# Altium PCB PCB.pcbdoc (part 4 of 6)
Units mil, origin at the board's own origin, x right, y up, seen from the top; angles counter-clockwise.
Board outline 12030 x 6651.89 mil, 2 copper layers (Top Layer, Bottom Layer); 4 components, 257 nets, 480 pads, 2 vias.
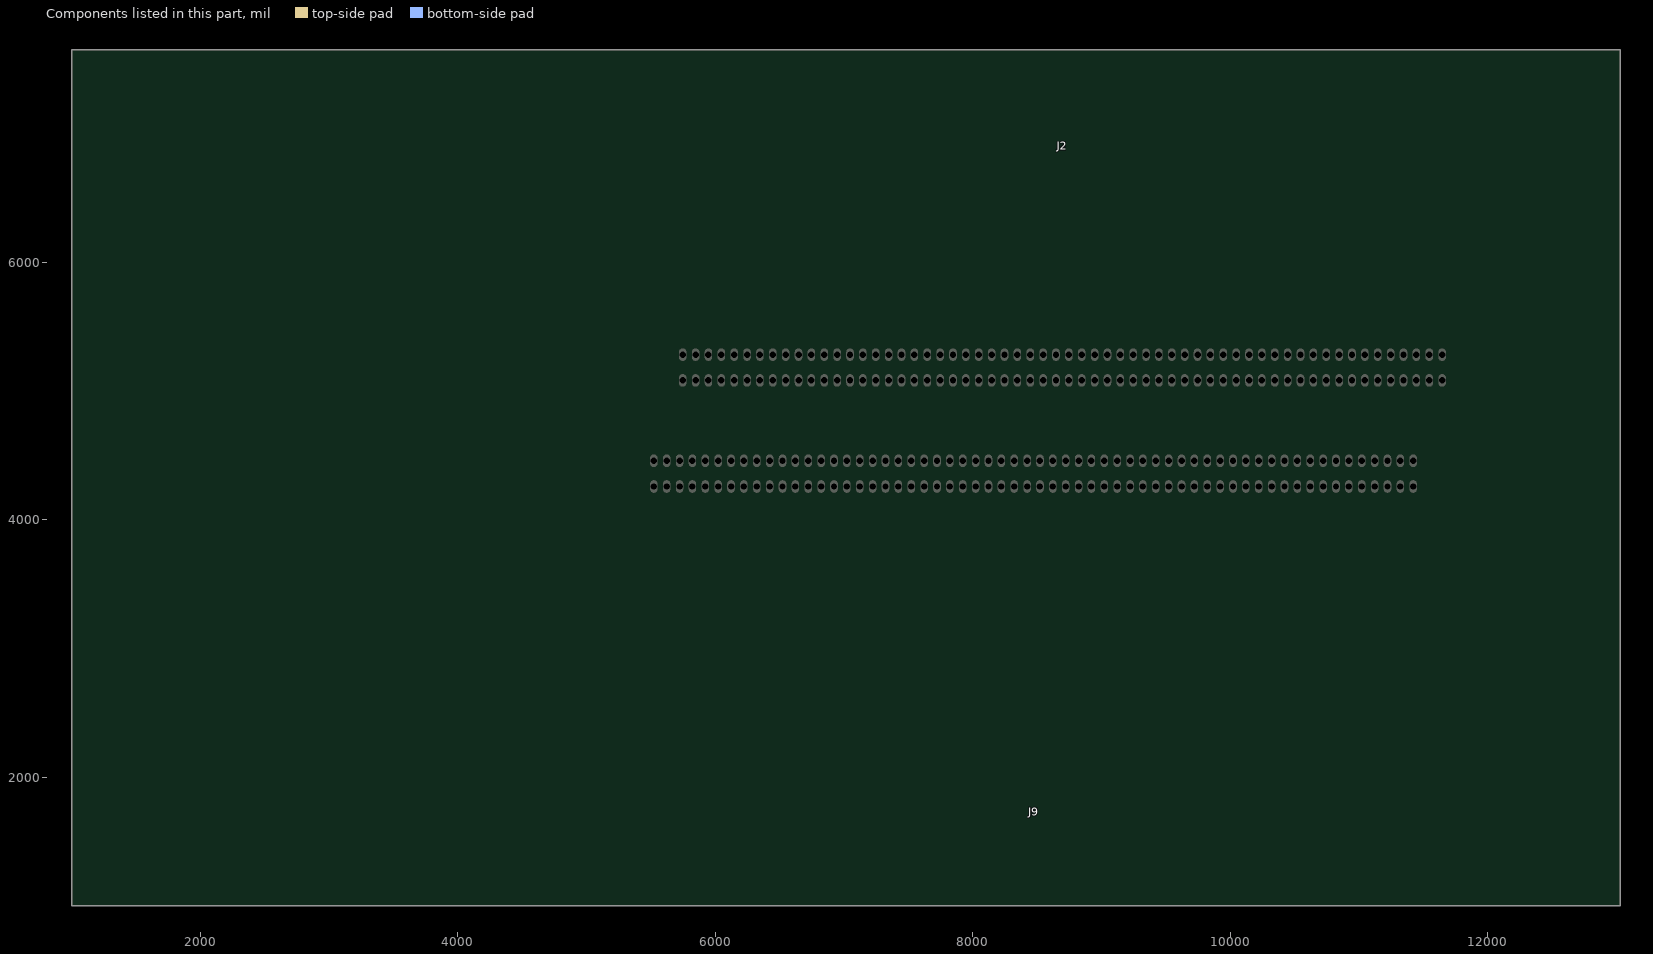
[diagram p4: the components of this part, seen from the top]

## Footprints (in the part's own frame and the unit in brackets; to place one, negate y for a bottom-side part, rotate by r counter-clockwise, add the part's x,y. Pads: shape width x height; smd on the part's side, far side on the other; paste and mask are expansions set on the pad) (continued)
I/O_EDGE_CONNECTOR [mil] (continued)
  Bottom Layer region: 2151.65,213.04 2150.02,213.08 2150.02,213.08 2148.38,213.04 2148.38,213.04 2146.75,212.92 2146.75,212.92 2145.12,212.72 2145.12,212.72 2143.51,212.44 2143.51,212.44 2141.92,212.08 2141.92,212.08 2140.34,211.64 2140.34,211.64 2138.79,211.13 2138.79,211.13 2137.26,210.54 2137.26,210.54 2135.76,209.88 2135.76,209.88 2134.3,209.15 2134.3,209.15 2132.88,208.34 2132.88,208.34 2131.49,207.47 2131.49,207.47 2130.15,206.53 2130.15,206.53 2128.86,205.52 2128.86,205.52 2127.62,204.46 2127.62,204.46 2126.43,203.33 2126.43,203.33 2125.3,202.15 2125.3,202.15 2124.23,200.91 2124.23,200.91 2123.22,199.63 2123.22,199.63 2122.27,198.29 2122.27,198.29 2121.39,196.91 2121.39,196.91 2120.58,195.49 2120.58,195.49 2119.84,194.03 2119.84,194.03 2119.17,192.54 2119.17,192.54 2118.58,191.02 2118.58,191.02 2118.06,189.46 2118.06,189.46 2117.62,187.89 2117.62,187.89 2117.25,186.29 2117.25,186.29 2116.97,184.68 2116.97,184.68 2116.76,183.06 2116.76,183.06 2116.63,181.43 2116.63,181.43 2116.58,179.82 2116.58,179.82 2116.55,179.82 2116.55,179.82 2116.55,-213.87 2116.55,-213.87 2183.48,-213.87 2183.48,-213.87 2183.48,179.82 2183.48,179.82 2183.43,181.46 2183.43,181.46 2183.3,183.09 2183.3,183.09 2183.09,184.71 2183.09,184.71 2182.81,186.33 2182.81,186.33 2182.44,187.92 2182.44,187.92 2181.99,189.49 2181.99,189.49 2181.47,191.05 2181.47,191.05 2180.88,192.57 2180.88,192.57 2180.21,194.06 2180.21,194.06 2179.47,195.52 2179.47,195.52 2178.65,196.94 2178.65,196.94 2177.77,198.32 2177.77,198.32 2176.83,199.65 2176.83,199.65 2175.82,200.94 2175.82,200.94 2174.74,202.18 2174.74,202.18 2173.61,203.36 2173.61,203.36 2172.42,204.48 2172.42,204.48 2171.18,205.55 2171.18,205.55 2169.89,206.55 2169.89,206.55 2168.55,207.49 2168.55,207.49 2167.16,208.36 2167.16,208.36 2165.74,209.16 2165.74,209.16 2164.27,209.9 2164.27,209.9 2162.78,210.56 2162.78,210.56 2161.25,211.14 2161.25,211.14 2159.69,211.65 2159.69,211.65 2158.12,212.09 2158.12,212.09 2156.52,212.44 2156.52,212.44 2154.91,212.72 2154.91,212.72 2153.28,212.92 2153.28,212.92
  Bottom Layer region: 2051.65,213.04 2050.02,213.08 2050.02,213.08 2048.38,213.04 2048.38,213.04 2046.75,212.92 2046.75,212.92 2045.13,212.72 2045.13,212.72 2043.51,212.44 2043.51,212.44 2041.92,212.08 2041.92,212.08 2040.34,211.64 2040.34,211.64 2038.79,211.13 2038.79,211.13 2037.26,210.54 2037.26,210.54 2035.76,209.88 2035.76,209.88 2034.3,209.15 2034.3,209.15 2032.88,208.34 2032.88,208.34 2031.49,207.47 2031.49,207.47 2030.15,206.53 2030.15,206.53 2028.86,205.52 2028.86,205.52 2027.62,204.46 2027.62,204.46 2026.43,203.33 2026.43,203.33 2025.3,202.15 2025.3,202.15 2024.23,200.91 2024.23,200.91 2023.22,199.63 2023.22,199.63 2022.28,198.29 2022.28,198.29 2021.4,196.91 2021.4,196.91 2020.58,195.49 2020.58,195.49 2019.84,194.03 2019.84,194.03 2019.17,192.54 2019.17,192.54 2018.58,191.02 2018.58,191.02 2018.06,189.46 2018.06,189.46 2017.62,187.89 2017.62,187.89 2017.25,186.29 2017.25,186.29 2016.97,184.68 2016.97,184.68 2016.76,183.06 2016.76,183.06 2016.63,181.43 2016.63,181.43 2016.58,179.82 2016.58,179.82 2016.56,179.82 2016.56,179.82 2016.56,-213.87 2016.56,-213.87 2083.48,-213.87 2083.48,-213.87 2083.48,179.82 2083.48,179.82 2083.44,181.46 2083.44,181.46 2083.31,183.09 2083.31,183.09 2083.1,184.71 2083.1,184.71 2082.81,186.33 2082.81,186.33 2082.44,187.92 2082.44,187.92 2082,189.49 2082,189.49 2081.48,191.05 2081.48,191.05 2080.88,192.57 2080.88,192.57 2080.21,194.06 2080.21,194.06 2079.47,195.52 2079.47,195.52 2078.66,196.94 2078.66,196.94 2077.78,198.32 2077.78,198.32 2076.83,199.65 2076.83,199.65 2075.82,200.94 2075.82,200.94 2074.74,202.18 2074.74,202.18 2073.61,203.36 2073.61,203.36 2072.42,204.48 2072.42,204.48 2071.18,205.55 2071.18,205.55 2069.89,206.55 2069.89,206.55 2068.55,207.49 2068.55,207.49 2067.16,208.36 2067.16,208.36 2065.74,209.16 2065.74,209.16 2064.27,209.9 2064.27,209.9 2062.78,210.56 2062.78,210.56 2061.25,211.14 2061.25,211.14 2059.7,211.65 2059.7,211.65 2058.12,212.09 2058.12,212.09 2056.52,212.44 2056.52,212.44 2054.91,212.72 2054.91,212.72 2053.28,212.92 2053.28,212.92
  Bottom Layer region: 1951.65,213.04 1950.02,213.08 1950.02,213.08 1948.38,213.04 1948.38,213.04 1946.75,212.92 1946.75,212.92 1945.12,212.72 1945.12,212.72 1943.51,212.44 1943.51,212.44 1941.92,212.08 1941.92,212.08 1940.34,211.64 1940.34,211.64 1938.78,211.13 1938.78,211.13 1937.26,210.54 1937.26,210.54 1935.76,209.88 1935.76,209.88 1934.3,209.15 1934.3,209.15 1932.88,208.34 1932.88,208.34 1931.49,207.47 1931.49,207.47 1930.15,206.53 1930.15,206.53 1928.86,205.52 1928.86,205.52 1927.62,204.46 1927.62,204.46 1926.43,203.33 1926.43,203.33 1925.3,202.15 1925.3,202.15 1924.23,200.91 1924.23,200.91 1923.22,199.63 1923.22,199.63 1922.27,198.29 1922.27,198.29 1921.39,196.91 1921.39,196.91 1920.58,195.49 1920.58,195.49 1919.84,194.03 1919.84,194.03 1919.17,192.54 1919.17,192.54 1918.58,191.02 1918.58,191.02 1918.06,189.46 1918.06,189.46 1917.62,187.89 1917.62,187.89 1917.25,186.29 1917.25,186.29 1916.97,184.68 1916.97,184.68 1916.76,183.06 1916.76,183.06 1916.63,181.43 1916.63,181.43 1916.58,179.82 1916.58,179.82 1916.55,179.82 1916.55,179.82 1916.55,-213.87 1916.55,-213.87 1983.48,-213.87 1983.48,-213.87 1983.48,179.82 1983.48,179.82 1983.43,181.46 1983.43,181.46 1983.3,183.09 1983.3,183.09 1983.09,184.71 1983.09,184.71 1982.81,186.33 1982.81,186.33 1982.44,187.92 1982.44,187.92 1981.99,189.49 1981.99,189.49 1981.47,191.05 1981.47,191.05 1980.88,192.57 1980.88,192.57 1980.21,194.06 1980.21,194.06 1979.47,195.52 1979.47,195.52 1978.65,196.94 1978.65,196.94 1977.77,198.32 1977.77,198.32 1976.83,199.65 1976.83,199.65 1975.82,200.94 1975.82,200.94 1974.74,202.18 1974.74,202.18 1973.61,203.36 1973.61,203.36 1972.42,204.48 1972.42,204.48 1971.18,205.55 1971.18,205.55 1969.89,206.55 1969.89,206.55 1968.55,207.49 1968.55,207.49 1967.16,208.36 1967.16,208.36 1965.74,209.16 1965.74,209.16 1964.27,209.9 1964.27,209.9 1962.78,210.56 1962.78,210.56 1961.25,211.14 1961.25,211.14 1959.69,211.65 1959.69,211.65 1958.12,212.09 1958.12,212.09 1956.52,212.44 1956.52,212.44 1954.91,212.72 1954.91,212.72 1953.28,212.92 1953.28,212.92
  Bottom Layer region: 1851.65,213.04 1850.02,213.08 1850.02,213.08 1848.38,213.04 1848.38,213.04 1846.75,212.92 1846.75,212.92 1845.12,212.72 1845.12,212.72 1843.51,212.44 1843.51,212.44 1841.91,212.08 1841.91,212.08 1840.34,211.64 1840.34,211.64 1838.78,211.13 1838.78,211.13 1837.26,210.54 1837.26,210.54 1835.76,209.88 1835.76,209.88 1834.3,209.15 1834.3,209.15 1832.87,208.34 1832.87,208.34 1831.49,207.47 1831.49,207.47 1830.15,206.53 1830.15,206.53 1828.86,205.52 1828.86,205.52 1827.62,204.46 1827.62,204.46 1826.43,203.33 1826.43,203.33 1825.3,202.15 1825.3,202.15 1824.23,200.91 1824.23,200.91 1823.22,199.63 1823.22,199.63 1822.27,198.29 1822.27,198.29 1821.39,196.91 1821.39,196.91 1820.58,195.49 1820.58,195.49 1819.84,194.03 1819.84,194.03 1819.17,192.54 1819.17,192.54 1818.58,191.02 1818.58,191.02 1818.06,189.46 1818.06,189.46 1817.62,187.89 1817.62,187.89 1817.25,186.29 1817.25,186.29 1816.97,184.68 1816.97,184.68 1816.76,183.06 1816.76,183.06 1816.63,181.43 1816.63,181.43 1816.58,179.82 1816.58,179.82 1816.55,179.82 1816.55,179.82 1816.55,-213.87 1816.55,-213.87 1883.48,-213.87 1883.48,-213.87 1883.48,179.82 1883.48,179.82 1883.43,181.46 1883.43,181.46 1883.3,183.09 1883.3,183.09 1883.09,184.71 1883.09,184.71 1882.81,186.33 1882.81,186.33 1882.44,187.92 1882.44,187.92 1881.99,189.49 1881.99,189.49 1881.47,191.05 1881.47,191.05 1880.88,192.57 1880.88,192.57 1880.21,194.06 1880.21,194.06 1879.47,195.52 1879.47,195.52 1878.65,196.94 1878.65,196.94 1877.77,198.32 1877.77,198.32 1876.83,199.65 1876.83,199.65 1875.81,200.94 1875.81,200.94 1874.74,202.18 1874.74,202.18 1873.61,203.36 1873.61,203.36 1872.42,204.48 1872.42,204.48 1871.18,205.55 1871.18,205.55 1869.89,206.55 1869.89,206.55 1868.55,207.49 1868.55,207.49 1867.16,208.36 1867.16,208.36 1865.74,209.16 1865.74,209.16 1864.27,209.9 1864.27,209.9 1862.78,210.56 1862.78,210.56 1861.25,211.14 1861.25,211.14 1859.69,211.65 1859.69,211.65 1858.12,212.09 1858.12,212.09 1856.52,212.44 1856.52,212.44 1854.91,212.72 1854.91,212.72 1853.28,212.92 1853.28,212.92
  Bottom Layer region: 1751.68,213.35 1750.05,213.39 1750.05,213.39 1748.41,213.35 1748.41,213.35 1746.78,213.23 1746.78,213.23 1745.15,213.02 1745.15,213.02 1743.54,212.74 1743.54,212.74 1741.94,212.39 1741.94,212.39 1740.37,211.95 1740.37,211.95 1738.81,211.44 1738.81,211.44 1737.29,210.85 1737.29,210.85 1735.79,210.19 1735.79,210.19 1734.33,209.46 1734.33,209.46 1732.9,208.65 1732.9,208.65 1731.52,207.78 1731.52,207.78 1730.18,206.84 1730.18,206.84 1728.89,205.83 1728.89,205.83 1727.65,204.77 1727.65,204.77 1726.46,203.64 1726.46,203.64 1725.33,202.46 1725.33,202.46 1724.26,201.23 1724.26,201.23 1723.25,199.94 1723.25,199.94 1722.3,198.6 1722.3,198.6 1721.42,197.22 1721.42,197.22 1720.61,195.8 1720.61,195.8 1719.87,194.34 1719.87,194.34 1719.2,192.85 1719.2,192.85 1718.61,191.32 1718.61,191.32 1718.09,189.77 1718.09,189.77 1717.65,188.2 1717.65,188.2 1717.28,186.6 1717.28,186.6 1716.99,184.99 1716.99,184.99 1716.79,183.37 1716.79,183.37 1716.66,181.74 1716.66,181.74 1716.61,180.13 1716.61,180.13 1716.58,180.13 1716.58,180.13 1716.58,-213.57 1716.58,-213.57 1783.51,-213.57 1783.51,-213.57 1783.51,180.13 1783.51,180.13 1783.46,181.77 1783.46,181.77 1783.33,183.4 1783.33,183.4 1783.12,185.02 1783.12,185.02 1782.83,186.63 1782.83,186.63 1782.47,188.23 1782.47,188.23 1782.02,189.8 1782.02,189.8 1781.5,191.36 1781.5,191.36 1780.91,192.88 1780.91,192.88 1780.24,194.37 1780.24,194.37 1779.49,195.83 1779.49,195.83 1778.68,197.25 1778.68,197.25 1777.8,198.63 1777.8,198.63 1776.86,199.96 1776.86,199.96 1775.84,201.25 1775.84,201.25 1774.77,202.48 1774.77,202.48 1773.64,203.67 1773.64,203.67 1772.45,204.79 1772.45,204.79 1771.21,205.85 1771.21,205.85 1769.91,206.86 1769.91,206.86 1768.57,207.8 1768.57,207.8 1767.19,208.67 1767.19,208.67 1765.77,209.47 1765.77,209.47 1764.3,210.2 1764.3,210.2 1762.81,210.87 1762.81,210.87 1761.28,211.45 1761.28,211.45 1759.72,211.96 1759.72,211.96 1758.15,212.4 1758.15,212.4 1756.55,212.75 1756.55,212.75 1754.94,213.03 1754.94,213.03 1753.31,213.23 1753.31,213.23
  Bottom Layer region: 1651.68,213.35 1650.05,213.39 1650.05,213.39 1648.41,213.35 1648.41,213.35 1646.78,213.23 1646.78,213.23 1645.16,213.02 1645.16,213.02 1643.55,212.74 1643.55,212.74 1641.95,212.39 1641.95,212.39 1640.37,211.95 1640.37,211.95 1638.82,211.44 1638.82,211.44 1637.29,210.85 1637.29,210.85 1635.79,210.19 1635.79,210.19 1634.33,209.46 1634.33,209.46 1632.91,208.65 1632.91,208.65 1631.52,207.78 1631.52,207.78 1630.18,206.84 1630.18,206.84 1628.89,205.83 1628.89,205.83 1627.65,204.77 1627.65,204.77 1626.46,203.64 1626.46,203.64 1625.33,202.46 1625.33,202.46 1624.26,201.23 1624.26,201.23 1623.25,199.94 1623.25,199.94 1622.31,198.6 1622.31,198.6 1621.43,197.22 1621.43,197.22 1620.61,195.8 1620.61,195.8 1619.88,194.34 1619.88,194.34 1619.21,192.85 1619.21,192.85 1618.61,191.32 1618.61,191.32 1618.09,189.77 1618.09,189.77 1617.65,188.2 1617.65,188.2 1617.28,186.6 1617.28,186.6 1617,184.99 1617,184.99 1616.79,183.37 1616.79,183.37 1616.66,181.74 1616.66,181.74 1616.61,180.13 1616.61,180.13 1616.59,180.13 1616.59,180.13 1616.59,-213.57 1616.59,-213.57 1683.52,-213.57 1683.52,-213.57 1683.52,180.13 1683.52,180.13 1683.47,181.77 1683.47,181.77 1683.34,183.4 1683.34,183.4 1683.12,185.02 1683.12,185.02 1682.84,186.63 1682.84,186.63 1682.47,188.23 1682.47,188.23 1682.03,189.8 1682.03,189.8 1681.51,191.36 1681.51,191.36 1680.91,192.88 1680.91,192.88 1680.24,194.37 1680.24,194.37 1679.5,195.83 1679.5,195.83 1678.69,197.25 1678.69,197.25 1677.81,198.63 1677.81,198.63 1676.86,199.96 1676.86,199.96 1675.85,201.25 1675.85,201.25 1674.77,202.48 1674.77,202.48 1673.64,203.67 1673.64,203.67 1672.45,204.79 1672.45,204.79 1671.21,205.85 1671.21,205.85 1669.92,206.86 1669.92,206.86 1668.58,207.8 1668.58,207.8 1667.19,208.67 1667.19,208.67 1665.77,209.47 1665.77,209.47 1664.31,210.2 1664.31,210.2 1662.81,210.87 1662.81,210.87 1661.28,211.45 1661.28,211.45 1659.73,211.96 1659.73,211.96 1658.15,212.4 1658.15,212.4 1656.55,212.75 1656.55,212.75 1654.94,213.03 1654.94,213.03 1653.32,213.23 1653.32,213.23
  Bottom Layer region: 1551.69,213.35 1550.05,213.39 1550.05,213.39 1548.41,213.35 1548.41,213.35 1546.78,213.22 1546.78,213.22 1545.16,213.02 1545.16,213.02 1543.55,212.74 1543.55,212.74 1541.95,212.39 1541.95,212.39 1540.37,211.95 1540.37,211.95 1538.82,211.44 1538.82,211.44 1537.29,210.85 1537.29,210.85 1535.8,210.19 1535.8,210.19 1534.33,209.45 1534.33,209.45 1532.91,208.65 1532.91,208.65 1531.53,207.78 1531.53,207.78 1530.19,206.84 1530.19,206.84 1528.89,205.83 1528.89,205.83 1527.65,204.77 1527.65,204.77 1526.47,203.64 1526.47,203.64 1525.33,202.46 1525.33,202.46 1524.26,201.22 1524.26,201.22 1523.25,199.94 1523.25,199.94 1522.31,198.6 1522.31,198.6 1521.43,197.22 1521.43,197.22 1520.62,195.8 1520.62,195.8 1519.88,194.34 1519.88,194.34 1519.21,192.85 1519.21,192.85 1518.61,191.32 1518.61,191.32 1518.1,189.77 1518.1,189.77 1517.65,188.2 1517.65,188.2 1517.29,186.6 1517.29,186.6 1517,184.99 1517,184.99 1516.79,183.37 1516.79,183.37 1516.66,181.74 1516.66,181.74 1516.62,180.13 1516.62,180.13 1516.59,180.13 1516.59,180.13 1516.59,-213.57 1516.59,-213.57 1583.52,-213.57 1583.52,-213.57 1583.52,180.13 1583.52,180.13 1583.47,181.77 1583.47,181.77 1583.34,183.4 1583.34,183.4 1583.13,185.02 1583.13,185.02 1582.84,186.63 1582.84,186.63 1582.47,188.23 1582.47,188.23 1582.03,189.8 1582.03,189.8 1581.51,191.35 1581.51,191.35 1580.91,192.88 1580.91,192.88 1580.24,194.37 1580.24,194.37 1579.5,195.83 1579.5,195.83 1578.69,197.25 1578.69,197.25 1577.81,198.63 1577.81,198.63 1576.86,199.96 1576.86,199.96 1575.85,201.25 1575.85,201.25 1574.78,202.48 1574.78,202.48 1573.64,203.66 1573.64,203.66 1572.45,204.79 1572.45,204.79 1571.21,205.85 1571.21,205.85 1569.92,206.86 1569.92,206.86 1568.58,207.8 1568.58,207.8 1567.2,208.67 1567.2,208.67 1565.77,209.47 1565.77,209.47 1564.31,210.2 1564.31,210.2 1562.81,210.86 1562.81,210.86 1561.28,211.45 1561.28,211.45 1559.73,211.96 1559.73,211.96 1558.15,212.39 1558.15,212.39 1556.56,212.75 1556.56,212.75 1554.94,213.03 1554.94,213.03 1553.32,213.23 1553.32,213.23
  Bottom Layer region: 1451.68,213.35 1450.05,213.39 1450.05,213.39 1448.41,213.35 1448.41,213.35 1446.78,213.23 1446.78,213.23 1445.16,213.02 1445.16,213.02 1443.55,212.74 1443.55,212.74 1441.95,212.39 1441.95,212.39 1440.37,211.95 1440.37,211.95 1438.82,211.44 1438.82,211.44 1437.29,210.85 1437.29,210.85 1435.79,210.19 1435.79,210.19 1434.33,209.46 1434.33,209.46 1432.91,208.65 1432.91,208.65 1431.52,207.78 1431.52,207.78 1430.18,206.84 1430.18,206.84 1428.89,205.83 1428.89,205.83 1427.65,204.77 1427.65,204.77 1426.46,203.64 1426.46,203.64 1425.33,202.46 1425.33,202.46 1424.26,201.23 1424.26,201.23 1423.25,199.94 1423.25,199.94 1422.31,198.6 1422.31,198.6 1421.43,197.22 1421.43,197.22 1420.61,195.8 1420.61,195.8 1419.88,194.34 1419.88,194.34 1419.21,192.85 1419.21,192.85 1418.61,191.32 1418.61,191.32 1418.09,189.77 1418.09,189.77 1417.65,188.2 1417.65,188.2 1417.28,186.6 1417.28,186.6 1417,184.99 1417,184.99 1416.79,183.37 1416.79,183.37 1416.66,181.74 1416.66,181.74 1416.61,180.13 1416.61,180.13 1416.59,180.13 1416.59,180.13 1416.59,-213.57 1416.59,-213.57 1483.52,-213.57 1483.52,-213.57 1483.52,180.13 1483.52,180.13 1483.47,181.77 1483.47,181.77 1483.34,183.4 1483.34,183.4 1483.12,185.02 1483.12,185.02 1482.84,186.63 1482.84,186.63 1482.47,188.23 1482.47,188.23 1482.03,189.8 1482.03,189.8 1481.51,191.36 1481.51,191.36 1480.91,192.88 1480.91,192.88 1480.24,194.37 1480.24,194.37 1479.5,195.83 1479.5,195.83 1478.69,197.25 1478.69,197.25 1477.81,198.63 1477.81,198.63 1476.86,199.96 1476.86,199.96 1475.85,201.25 1475.85,201.25 1474.77,202.48 1474.77,202.48 1473.64,203.67 1473.64,203.67 1472.45,204.79 1472.45,204.79 1471.21,205.85 1471.21,205.85 1469.92,206.86 1469.92,206.86 1468.58,207.8 1468.58,207.8 1467.19,208.67 1467.19,208.67 1465.77,209.47 1465.77,209.47 1464.31,210.2 1464.31,210.2 1462.81,210.87 1462.81,210.87 1461.28,211.45 1461.28,211.45 1459.73,211.96 1459.73,211.96 1458.15,212.4 1458.15,212.4 1456.55,212.75 1456.55,212.75 1454.94,213.03 1454.94,213.03 1453.32,213.23 1453.32,213.23
  Bottom Layer region: 1351.66,213.04 1350.03,213.08 1350.03,213.08 1348.39,213.04 1348.39,213.04 1346.76,212.92 1346.76,212.92 1345.14,212.72 1345.14,212.72 1343.52,212.44 1343.52,212.44 1341.93,212.08 1341.93,212.08 1340.35,211.65 1340.35,211.65 1338.8,211.13 1338.8,211.13 1337.27,210.55 1337.27,210.55 1335.77,209.88 1335.77,209.88 1334.31,209.15 1334.31,209.15 1332.89,208.35 1332.89,208.35 1331.5,207.47 1331.5,207.47 1330.16,206.53 1330.16,206.53 1328.87,205.53 1328.87,205.53 1327.63,204.46 1327.63,204.46 1326.44,203.34 1326.44,203.34 1325.31,202.15 1325.31,202.15 1324.24,200.92 1324.24,200.92 1323.23,199.63 1323.23,199.63 1322.28,198.29 1322.28,198.29 1321.4,196.92 1321.4,196.92 1320.59,195.49 1320.59,195.49 1319.85,194.04 1319.85,194.04 1319.19,192.54 1319.19,192.54 1318.59,191.02 1318.59,191.02 1318.07,189.46 1318.07,189.46 1317.63,187.89 1317.63,187.89 1317.26,186.29 1317.26,186.29 1316.98,184.69 1316.98,184.69 1316.77,183.06 1316.77,183.06 1316.64,181.43 1316.64,181.43 1316.59,179.83 1316.59,179.83 1316.57,179.83 1316.57,179.83 1316.57,-213.87 1316.57,-213.87 1383.49,-213.87 1383.49,-213.87 1383.49,179.83 1383.49,179.83 1383.44,181.46 1383.44,181.46 1383.32,183.09 1383.32,183.09 1383.11,184.72 1383.11,184.72 1382.82,186.33 1382.82,186.33 1382.45,187.92 1382.45,187.92 1382.01,189.5 1382.01,189.5 1381.49,191.05 1381.49,191.05 1380.89,192.57 1380.89,192.57 1380.22,194.06 1380.22,194.06 1379.48,195.52 1379.48,195.52 1378.67,196.94 1378.67,196.94 1377.78,198.32 1377.78,198.32 1376.84,199.65 1376.84,199.65 1375.83,200.94 1375.83,200.94 1374.75,202.18 1374.75,202.18 1373.62,203.36 1373.62,203.36 1372.43,204.48 1372.43,204.48 1371.19,205.55 1371.19,205.55 1369.9,206.55 1369.9,206.55 1368.56,207.49 1368.56,207.49 1367.17,208.36 1367.17,208.36 1365.75,209.16 1365.75,209.16 1364.28,209.9 1364.28,209.9 1362.79,210.56 1362.79,210.56 1361.26,211.14 1361.26,211.14 1359.71,211.65 1359.71,211.65 1358.13,212.09 1358.13,212.09 1356.53,212.44 1356.53,212.44 1354.92,212.72 1354.92,212.72 1353.3,212.92 1353.3,212.92
  Bottom Layer region: 1251.66,213.04 1250.03,213.08 1250.03,213.08 1248.39,213.04 1248.39,213.04 1246.76,212.92 1246.76,212.92 1245.14,212.72 1245.14,212.72 1243.53,212.44 1243.53,212.44 1241.93,212.08 1241.93,212.08 1240.35,211.65 1240.35,211.65 1238.8,211.13 1238.8,211.13 1237.27,210.55 1237.27,210.55 1235.78,209.88 1235.78,209.88 1234.31,209.15 1234.31,209.15 1232.89,208.35 1232.89,208.35 1231.5,207.47 1231.5,207.47 1230.16,206.53 1230.16,206.53 1228.87,205.53 1228.87,205.53 1227.63,204.46 1227.63,204.46 1226.44,203.34 1226.44,203.34 1225.31,202.15 1225.31,202.15 1224.24,200.92 1224.24,200.92 1223.23,199.63 1223.23,199.63 1222.29,198.29 1222.29,198.29 1221.41,196.92 1221.41,196.92 1220.6,195.49 1220.6,195.49 1219.86,194.03 1219.86,194.03 1219.19,192.54 1219.19,192.54 1218.59,191.02 1218.59,191.02 1218.07,189.46 1218.07,189.46 1217.63,187.89 1217.63,187.89 1217.27,186.29 1217.27,186.29 1216.98,184.69 1216.98,184.69 1216.77,183.06 1216.77,183.06 1216.64,181.43 1216.64,181.43 1216.59,179.83 1216.59,179.83 1216.57,179.83 1216.57,179.83 1216.57,-213.87 1216.57,-213.87 1283.49,-213.87 1283.49,-213.87 1283.49,179.83 1283.49,179.83 1283.45,181.46 1283.45,181.46 1283.32,183.09 1283.32,183.09 1283.11,184.72 1283.11,184.72 1282.82,186.33 1282.82,186.33 1282.45,187.92 1282.45,187.92 1282.01,189.5 1282.01,189.5 1281.49,191.05 1281.49,191.05 1280.89,192.57 1280.89,192.57 1280.22,194.06 1280.22,194.06 1279.48,195.52 1279.48,195.52 1278.67,196.94 1278.67,196.94 1277.79,198.32 1277.79,198.32 1276.84,199.65 1276.84,199.65 1275.83,200.94 1275.83,200.94 1274.75,202.18 1274.75,202.18 1273.62,203.36 1273.62,203.36 1272.43,204.48 1272.43,204.48 1271.19,205.55 1271.19,205.55 1269.9,206.55 1269.9,206.55 1268.56,207.49 1268.56,207.49 1267.17,208.36 1267.17,208.36 1265.75,209.16 1265.75,209.16 1264.29,209.9 1264.29,209.9 1262.79,210.56 1262.79,210.56 1261.26,211.14 1261.26,211.14 1259.71,211.65 1259.71,211.65 1258.13,212.09 1258.13,212.09 1256.53,212.44 1256.53,212.44 1254.92,212.72 1254.92,212.72 1253.3,212.92 1253.3,212.92
  Bottom Layer region: 1151.67,213.04 1150.03,213.08 1150.03,213.08 1148.4,213.04 1148.4,213.04 1146.76,212.92 1146.76,212.92 1145.14,212.72 1145.14,212.72 1143.53,212.44 1143.53,212.44 1141.93,212.08 1141.93,212.08 1140.36,211.65 1140.36,211.65 1138.8,211.13 1138.8,211.13 1137.27,210.55 1137.27,210.55 1135.78,209.88 1135.78,209.88 1134.32,209.15 1134.32,209.15 1132.89,208.35 1132.89,208.35 1131.51,207.47 1131.51,207.47 1130.17,206.53 1130.17,206.53 1128.88,205.53 1128.88,205.53 1127.64,204.46 1127.64,204.46 1126.45,203.34 1126.45,203.34 1125.32,202.15 1125.32,202.15 1124.24,200.92 1124.24,200.92 1123.24,199.63 1123.24,199.63 1122.29,198.29 1122.29,198.29 1121.41,196.92 1121.41,196.92 1120.6,195.49 1120.6,195.49 1119.86,194.03 1119.86,194.03 1119.19,192.54 1119.19,192.54 1118.6,191.02 1118.6,191.02 1118.08,189.46 1118.08,189.46 1117.63,187.89 1117.63,187.89 1117.27,186.29 1117.27,186.29 1116.98,184.69 1116.98,184.69 1116.77,183.06 1116.77,183.06 1116.65,181.43 1116.65,181.43 1116.6,179.83 1116.6,179.83 1116.57,179.83 1116.57,179.83 1116.57,-213.87 1116.57,-213.87 1183.5,-213.87 1183.5,-213.87 1183.5,179.83 1183.5,179.83 1183.45,181.46 1183.45,181.46 1183.32,183.09 1183.32,183.09 1183.11,184.72 1183.11,184.72 1182.82,186.33 1182.82,186.33 1182.45,187.92 1182.45,187.92 1182.01,189.5 1182.01,189.5 1181.49,191.05 1181.49,191.05 1180.89,192.57 1180.89,192.57 1180.22,194.06 1180.22,194.06 1179.48,195.52 1179.48,195.52 1178.67,196.94 1178.67,196.94 1177.79,198.32 1177.79,198.32 1176.84,199.65 1176.84,199.65 1175.83,200.94 1175.83,200.94 1174.76,202.18 1174.76,202.18 1173.62,203.36 1173.62,203.36 1172.44,204.48 1172.44,204.48 1171.19,205.55 1171.19,205.55 1169.9,206.55 1169.9,206.55 1168.56,207.49 1168.56,207.49 1167.18,208.36 1167.18,208.36 1165.75,209.16 1165.75,209.16 1164.29,209.9 1164.29,209.9 1162.79,210.56 1162.79,210.56 1161.26,211.14 1161.26,211.14 1159.71,211.65 1159.71,211.65 1158.13,212.09 1158.13,212.09 1156.54,212.44 1156.54,212.44 1154.92,212.72 1154.92,212.72 1153.3,212.92 1153.3,212.92
  Bottom Layer region: 1051.67,213.04 1050.03,213.08 1050.03,213.08 1048.4,213.04 1048.4,213.04 1046.76,212.92 1046.76,212.92 1045.14,212.72 1045.14,212.72 1043.53,212.44 1043.53,212.44 1041.93,212.08 1041.93,212.08 1040.35,211.65 1040.35,211.65 1038.8,211.13 1038.8,211.13 1037.27,210.55 1037.27,210.55 1035.78,209.88 1035.78,209.88 1034.31,209.15 1034.31,209.15 1032.89,208.35 1032.89,208.35 1031.5,207.47 1031.5,207.47 1030.16,206.53 1030.16,206.53 1028.88,205.53 1028.88,205.53 1027.64,204.46 1027.64,204.46 1026.45,203.34 1026.45,203.34 1025.32,202.15 1025.32,202.15 1024.24,200.92 1024.24,200.92 1023.23,199.63 1023.23,199.63 1022.29,198.29 1022.29,198.29 1021.4,196.92 1021.4,196.92 1020.6,195.49 1020.6,195.49 1019.85,194.03 1019.85,194.03 1019.19,192.54 1019.19,192.54 1018.6,191.02 1018.6,191.02 1018.07,189.46 1018.07,189.46 1017.63,187.89 1017.63,187.89 1017.26,186.29 1017.26,186.29 1016.98,184.69 1016.98,184.69 1016.77,183.06 1016.77,183.06 1016.64,181.43 1016.64,181.43 1016.59,179.83 1016.59,179.83 1016.57,179.83 1016.57,179.83 1016.57,-213.87 1016.57,-213.87 1083.5,-213.87 1083.5,-213.87 1083.5,179.83 1083.5,179.83 1083.44,181.46 1083.44,181.46 1083.32,183.09 1083.32,183.09 1083.11,184.72 1083.11,184.72 1082.82,186.33 1082.82,186.33 1082.45,187.92 1082.45,187.92 1082.01,189.5 1082.01,189.5 1081.49,191.05 1081.49,191.05 1080.89,192.57 1080.89,192.57 1080.22,194.06 1080.22,194.06 1079.48,195.52 1079.48,195.52 1078.67,196.94 1078.67,196.94 1077.79,198.32 1077.79,198.32 1076.84,199.65 1076.84,199.65 1075.83,200.94 1075.83,200.94 1074.76,202.18 1074.76,202.18 1073.62,203.36 1073.62,203.36 1072.44,204.48 1072.44,204.48 1071.19,205.55 1071.19,205.55 1069.9,206.55 1069.9,206.55 1068.56,207.49 1068.56,207.49 1067.17,208.36 1067.17,208.36 1065.75,209.16 1065.75,209.16 1064.28,209.9 1064.28,209.9 1062.79,210.56 1062.79,210.56 1061.26,211.14 1061.26,211.14 1059.71,211.65 1059.71,211.65 1058.13,212.09 1058.13,212.09 1056.53,212.44 1056.53,212.44 1054.92,212.72 1054.92,212.72 1053.3,212.92 1053.3,212.92
  Bottom Layer region: 951.69,213.36 950.06,213.39 950.06,213.39 948.42,213.35 948.42,213.35 946.79,213.23 946.79,213.23 945.17,213.03 945.17,213.03 943.56,212.75 943.56,212.75 941.96,212.4 941.96,212.4 940.38,211.96 940.38,211.96 938.83,211.45 938.83,211.45 937.3,210.86 937.3,210.86 935.8,210.2 935.8,210.2 934.34,209.46 934.34,209.46 932.92,208.66 932.92,208.66 931.53,207.79 931.53,207.79 930.19,206.85 930.19,206.85 928.9,205.84 928.9,205.84 927.66,204.78 927.66,204.78 926.47,203.65 926.47,203.65 925.34,202.47 925.34,202.47 924.27,201.23 924.27,201.23 923.26,199.94 923.26,199.94 922.32,198.61 922.32,198.61 921.44,197.23 921.44,197.23 920.62,195.81 920.62,195.81 919.89,194.35 919.89,194.35 919.22,192.86 919.22,192.86 918.62,191.33 918.62,191.33 918.1,189.78 918.1,189.78 917.66,188.2 917.66,188.2 917.3,186.61 917.3,186.61 917.01,185 917.01,185 916.8,183.38 916.8,183.38 916.67,181.74 916.67,181.74 916.62,180.14 916.62,180.14 916.6,180.14 916.6,180.14 916.6,-213.56 916.6,-213.56 983.53,-213.56 983.53,-213.56 983.53,180.14 983.53,180.14 983.48,181.78 983.48,181.78 983.35,183.41 983.35,183.41 983.14,185.03 983.14,185.03 982.85,186.64 982.85,186.64 982.48,188.24 982.48,188.24 982.04,189.81 982.04,189.81 981.52,191.36 981.52,191.36 980.92,192.89 980.92,192.89 980.25,194.38 980.25,194.38 979.51,195.84 979.51,195.84 978.7,197.26 978.7,197.26 977.82,198.64 977.82,198.64 976.87,199.97 976.87,199.97 975.86,201.26 975.86,201.26 974.78,202.49 974.78,202.49 973.65,203.67 973.65,203.67 972.46,204.8 972.46,204.8 971.22,205.86 971.22,205.86 969.93,206.86 969.93,206.86 968.59,207.81 968.59,207.81 967.2,208.68 967.2,208.68 965.78,209.48 965.78,209.48 964.32,210.21 964.32,210.21 962.82,210.87 962.82,210.87 961.29,211.46 961.29,211.46 959.74,211.97 959.74,211.97 958.16,212.4 958.16,212.4 956.56,212.76 956.56,212.76 954.95,213.04 954.95,213.04 953.33,213.24 953.33,213.24
  Bottom Layer region: 851.7,213.36 850.06,213.39 850.06,213.39 848.43,213.35 848.43,213.35 846.79,213.23 846.79,213.23 845.17,213.03 845.17,213.03 843.56,212.75 843.56,212.75 841.96,212.4 841.96,212.4 840.39,211.96 840.39,211.96 838.83,211.45 838.83,211.45 837.3,210.86 837.3,210.86 835.81,210.2 835.81,210.2 834.35,209.46 834.35,209.46 832.92,208.66 832.92,208.66 831.54,207.79 831.54,207.79 830.2,206.85 830.2,206.85 828.91,205.84 828.91,205.84 827.67,204.78 827.67,204.78 826.48,203.65 826.48,203.65 825.35,202.47 825.35,202.47 824.28,201.23 824.28,201.23 823.27,199.94 823.27,199.94 822.32,198.61 822.32,198.61 821.44,197.23 821.44,197.23 820.63,195.81 820.63,195.81 819.89,194.35 819.89,194.35 819.22,192.86 819.22,192.86 818.63,191.33 818.63,191.33 818.11,189.78 818.11,189.78 817.66,188.2 817.66,188.2 817.3,186.61 817.3,186.61 817.01,185 817.01,185 816.8,183.38 816.8,183.38 816.68,181.74 816.68,181.74 816.63,180.14 816.63,180.14 816.6,180.14 816.6,180.14 816.6,-213.56 816.6,-213.56 883.53,-213.56 883.53,-213.56 883.53,180.14 883.53,180.14 883.48,181.78 883.48,181.78 883.35,183.41 883.35,183.41 883.14,185.03 883.14,185.03 882.85,186.64 882.85,186.64 882.48,188.24 882.48,188.24 882.04,189.81 882.04,189.81 881.52,191.36 881.52,191.36 880.92,192.89 880.92,192.89 880.25,194.38 880.25,194.38 879.51,195.84 879.51,195.84 878.7,197.26 878.7,197.26 877.82,198.64 877.82,198.64 876.87,199.97 876.87,199.97 875.86,201.26 875.86,201.26 874.79,202.49 874.79,202.49 873.65,203.67 873.65,203.67 872.47,204.8 872.47,204.8 871.23,205.86 871.23,205.86 869.93,206.86 869.93,206.86 868.59,207.81 868.59,207.81 867.21,208.68 867.21,208.68 865.78,209.48 865.78,209.48 864.32,210.21 864.32,210.21 862.82,210.87 862.82,210.87 861.3,211.46 861.3,211.46 859.74,211.97 859.74,211.97 858.16,212.4 858.16,212.4 856.57,212.76 856.57,212.76 854.95,213.04 854.95,213.04 853.33,213.24 853.33,213.24
  Bottom Layer region: 751.7,213.36 750.07,213.39 750.07,213.39 748.43,213.35 748.43,213.35 746.8,213.23 746.8,213.23 745.17,213.03 745.17,213.03 743.56,212.75 743.56,212.75 741.97,212.4 741.97,212.4 740.39,211.96 740.39,211.96 738.84,211.45 738.84,211.45 737.31,210.86 737.31,210.86 735.81,210.2 735.81,210.2 734.35,209.46 734.35,209.46 732.92,208.66 732.92,208.66 731.54,207.79 731.54,207.79 730.2,206.85 730.2,206.85 728.91,205.84 728.91,205.84 727.67,204.78 727.67,204.78 726.48,203.65 726.48,203.65 725.35,202.47 725.35,202.47 724.28,201.23 724.28,201.23 723.27,199.94 723.27,199.94 722.32,198.61 722.32,198.61 721.44,197.23 721.44,197.23 720.63,195.81 720.63,195.81 719.89,194.35 719.89,194.35 719.22,192.86 719.22,192.86 718.63,191.33 718.63,191.33 718.11,189.78 718.11,189.78 717.67,188.2 717.67,188.2 717.3,186.61 717.3,186.61 717.02,185 717.02,185 716.81,183.38 716.81,183.38 716.68,181.74 716.68,181.74 716.63,180.14 716.63,180.14 716.6,180.14 716.6,180.14 716.6,-213.56 716.6,-213.56 783.53,-213.56 783.53,-213.56 783.53,180.14 783.53,180.14 783.48,181.78 783.48,181.78 783.35,183.41 783.35,183.41 783.14,185.03 783.14,185.03 782.86,186.64 782.86,186.64 782.49,188.24 782.49,188.24 782.04,189.81 782.04,189.81 781.52,191.36 781.52,191.36 780.93,192.89 780.93,192.89 780.26,194.38 780.26,194.38 779.52,195.84 779.52,195.84 778.7,197.26 778.7,197.26 777.82,198.64 777.82,198.64 776.88,199.97 776.88,199.97 775.86,201.26 775.86,201.26 774.79,202.49 774.79,202.49 773.66,203.67 773.66,203.67 772.47,204.8 772.47,204.8 771.23,205.86 771.23,205.86 769.93,206.86 769.93,206.86 768.6,207.81 768.6,207.81 767.21,208.68 767.21,208.68 765.79,209.48 765.79,209.48 764.32,210.21 764.32,210.21 762.82,210.87 762.82,210.87 761.3,211.46 761.3,211.46 759.74,211.97 759.74,211.97 758.17,212.4 758.17,212.4 756.57,212.76 756.57,212.76 754.96,213.04 754.96,213.04 753.33,213.24 753.33,213.24
  Bottom Layer region: 651.7,213.36 650.06,213.39 650.06,213.39 648.43,213.35 648.43,213.35 646.79,213.23 646.79,213.23 645.17,213.03 645.17,213.03 643.56,212.75 643.56,212.75 641.96,212.4 641.96,212.4 640.38,211.96 640.38,211.96 638.83,211.45 638.83,211.45 637.3,210.86 637.3,210.86 635.81,210.2 635.81,210.2 634.35,209.46 634.35,209.46 632.92,208.66 632.92,208.66 631.54,207.79 631.54,207.79 630.2,206.85 630.2,206.85 628.9,205.84 628.9,205.84 627.66,204.78 627.66,204.78 626.48,203.65 626.48,203.65 625.35,202.47 625.35,202.47 624.28,201.23 624.28,201.23 623.26,199.94 623.26,199.94 622.32,198.61 622.32,198.61 621.44,197.23 621.44,197.23 620.63,195.81 620.63,195.81 619.89,194.35 619.89,194.35 619.22,192.86 619.22,192.86 618.62,191.33 618.62,191.33 618.11,189.78 618.11,189.78 617.66,188.2 617.66,188.2 617.3,186.61 617.3,186.61 617.01,185 617.01,185 616.8,183.38 616.8,183.38 616.68,181.74 616.68,181.74 616.63,180.14 616.63,180.14 616.6,180.14 616.6,180.14 616.6,-213.56 616.6,-213.56 683.53,-213.56 683.53,-213.56 683.53,180.14 683.53,180.14 683.48,181.78 683.48,181.78 683.35,183.41 683.35,183.41 683.14,185.03 683.14,185.03 682.85,186.64 682.85,186.64 682.48,188.24 682.48,188.24 682.04,189.81 682.04,189.81 681.52,191.36 681.52,191.36 680.92,192.89 680.92,192.89 680.25,194.38 680.25,194.38 679.51,195.84 679.51,195.84 678.7,197.26 678.7,197.26 677.82,198.64 677.82,198.64 676.87,199.97 676.87,199.97 675.86,201.26 675.86,201.26 674.79,202.49 674.79,202.49 673.65,203.67 673.65,203.67 672.47,204.8 672.47,204.8 671.23,205.86 671.23,205.86 669.93,206.86 669.93,206.86 668.59,207.81 668.59,207.81 667.21,208.68 667.21,208.68 665.78,209.48 665.78,209.48 664.32,210.21 664.32,210.21 662.82,210.87 662.82,210.87 661.3,211.46 661.3,211.46 659.74,211.97 659.74,211.97 658.16,212.4 658.16,212.4 656.57,212.76 656.57,212.76 654.95,213.04 654.95,213.04 653.33,213.24 653.33,213.24
  Bottom Layer region: 551.68,213.35 550.04,213.39 550.04,213.39 548.41,213.35 548.41,213.35 546.77,213.23 546.77,213.23 545.15,213.03 545.15,213.03 543.54,212.75 543.54,212.75 541.94,212.39 541.94,212.39 540.36,211.96 540.36,211.96 538.81,211.45 538.81,211.45 537.28,210.86 537.28,210.86 535.79,210.2 535.79,210.2 534.32,209.46 534.32,209.46 532.9,208.66 532.9,208.66 531.52,207.78 531.52,207.78 530.18,206.85 530.18,206.85 528.89,205.84 528.89,205.84 527.64,204.78 527.64,204.78 526.46,203.65 526.46,203.65 525.33,202.47 525.33,202.47 524.26,201.23 524.26,201.23 523.24,199.94 523.24,199.94 522.3,198.61 522.3,198.61 521.42,197.23 521.42,197.23 520.61,195.81 520.61,195.81 519.86,194.35 519.86,194.35 519.2,192.86 519.2,192.86 518.6,191.33 518.6,191.33 518.08,189.78 518.08,189.78 517.64,188.2 517.64,188.2 517.28,186.61 517.28,186.61 516.99,185 516.99,185 516.78,183.38 516.78,183.38 516.65,181.74 516.65,181.74 516.61,180.14 516.61,180.14 516.58,180.14 516.58,180.14 516.58,-213.56 516.58,-213.56 583.51,-213.56 583.51,-213.56 583.51,180.14 583.51,180.14 583.45,181.78 583.45,181.78 583.33,183.41 583.33,183.41 583.12,185.03 583.12,185.03 582.83,186.64 582.83,186.64 582.46,188.24 582.46,188.24 582.02,189.81 582.02,189.81 581.5,191.36 581.5,191.36 580.9,192.88 580.9,192.88 580.24,194.38 580.24,194.38 579.49,195.84 579.49,195.84 578.68,197.26 578.68,197.26 577.8,198.64 577.8,198.64 576.85,199.97 576.85,199.97 575.84,201.25 575.84,201.25 574.76,202.49 574.76,202.49 573.63,203.67 573.63,203.67 572.45,204.8 572.45,204.8 571.2,205.86 571.2,205.86 569.91,206.86 569.91,206.86 568.57,207.8 568.57,207.8 567.19,208.68 567.19,208.68 565.76,209.48 565.76,209.48 564.3,210.21 564.3,210.21 562.8,210.87 562.8,210.87 561.27,211.46 561.27,211.46 559.72,211.97 559.72,211.97 558.14,212.4 558.14,212.4 556.54,212.76 556.54,212.76 554.93,213.04 554.93,213.04 553.31,213.24 553.31,213.24
  Bottom Layer region: 451.67,213.36 450.04,213.39 450.04,213.39 448.4,213.35 448.4,213.35 446.77,213.23 446.77,213.23 445.15,213.03 445.15,213.03 443.53,212.75 443.53,212.75 441.94,212.4 441.94,212.4 440.36,211.96 440.36,211.96 438.81,211.45 438.81,211.45 437.28,210.86 437.28,210.86 435.78,210.2 435.78,210.2 434.32,209.46 434.32,209.46 432.9,208.66 432.9,208.66 431.51,207.79 431.51,207.79 430.17,206.85 430.17,206.85 428.88,205.84 428.88,205.84 427.64,204.78 427.64,204.78 426.45,203.65 426.45,203.65 425.32,202.47 425.32,202.47 424.25,201.23 424.25,201.23 423.24,199.94 423.24,199.94 422.29,198.61 422.29,198.61 421.41,197.23 421.41,197.23 420.6,195.81 420.6,195.81 419.86,194.35 419.86,194.35 419.19,192.86 419.19,192.86 418.6,191.33 418.6,191.33 418.08,189.78 418.08,189.78 417.64,188.2 417.64,188.2 417.27,186.61 417.27,186.61 416.99,185 416.99,185 416.78,183.38 416.78,183.38 416.65,181.74 416.65,181.74 416.6,180.14 416.6,180.14 416.57,180.14 416.57,180.14 416.57,-213.56 416.57,-213.56 483.5,-213.56 483.5,-213.56 483.5,180.14 483.5,180.14 483.45,181.78 483.45,181.78 483.32,183.41 483.32,183.41 483.11,185.03 483.11,185.03 482.83,186.64 482.83,186.64 482.46,188.24 482.46,188.24 482.01,189.81 482.01,189.81 481.49,191.36 481.49,191.36 480.9,192.89 480.9,192.89 480.23,194.38 480.23,194.38 479.49,195.84 479.49,195.84 478.67,197.26 478.67,197.26 477.79,198.64 477.79,198.64 476.85,199.97 476.85,199.97 475.84,201.26 475.84,201.26 474.76,202.49 474.76,202.49 473.63,203.67 473.63,203.67 472.44,204.8 472.44,204.8 471.2,205.86 471.2,205.86 469.91,206.87 469.91,206.87 468.57,207.81 468.57,207.81 467.18,208.68 467.18,208.68 465.76,209.48 465.76,209.48 464.29,210.21 464.29,210.21 462.8,210.87 462.8,210.87 461.27,211.46 461.27,211.46 459.72,211.97 459.72,211.97 458.14,212.4 458.14,212.4 456.54,212.76 456.54,212.76 454.93,213.04 454.93,213.04 453.3,213.24 453.3,213.24
  Bottom Layer region: 351.67,213.36 350.04,213.4 350.04,213.4 348.4,213.36 348.4,213.36 346.77,213.24 346.77,213.24 345.15,213.03 345.15,213.03 343.53,212.75 343.53,212.75 341.94,212.4 341.94,212.4 340.36,211.96 340.36,211.96 338.81,211.45 338.81,211.45 337.28,210.86 337.28,210.86 335.78,210.2 335.78,210.2 334.32,209.46 334.32,209.46 332.9,208.66 332.9,208.66 331.51,207.79 331.51,207.79 330.17,206.85 330.17,206.85 328.88,205.84 328.88,205.84 327.64,204.78 327.64,204.78 326.45,203.65 326.45,203.65 325.32,202.47 325.32,202.47 324.25,201.23 324.25,201.23 323.24,199.94 323.24,199.94 322.29,198.61 322.29,198.61 321.41,197.23 321.41,197.23 320.6,195.81 320.6,195.81 319.86,194.35 319.86,194.35 319.19,192.86 319.19,192.86 318.6,191.33 318.6,191.33 318.08,189.78 318.08,189.78 317.64,188.2 317.64,188.2 317.27,186.61 317.27,186.61 316.99,185 316.99,185 316.78,183.38 316.78,183.38 316.65,181.74 316.65,181.74 316.6,180.14 316.6,180.14 316.57,180.14 316.57,180.14 316.57,-213.56 316.57,-213.56 383.5,-213.56 383.5,-213.56 383.5,180.14 383.5,180.14 383.45,181.78 383.45,181.78 383.32,183.41 383.32,183.41 383.11,185.03 383.11,185.03 382.83,186.64 382.83,186.64 382.46,188.24 382.46,188.24 382.01,189.81 382.01,189.81 381.49,191.36 381.49,191.36 380.9,192.89 380.9,192.89 380.23,194.38 380.23,194.38 379.49,195.84 379.49,195.84 378.67,197.26 378.67,197.26 377.79,198.64 377.79,198.64 376.85,199.97 376.85,199.97 375.84,201.26 375.84,201.26 374.76,202.49 374.76,202.49 373.63,203.68 373.63,203.68 372.44,204.8 372.44,204.8 371.2,205.86 371.2,205.86 369.91,206.86 369.91,206.86 368.57,207.81 368.57,207.81 367.18,208.68 367.18,208.68 365.76,209.48 365.76,209.48 364.29,210.21 364.29,210.21 362.8,210.87 362.8,210.87 361.27,211.46 361.27,211.46 359.72,211.97 359.72,211.97 358.14,212.41 358.14,212.41 356.54,212.76 356.54,212.76 354.93,213.04 354.93,213.04 353.3,213.24 353.3,213.24
  Bottom Layer region: 251.67,213.36 250.04,213.4 250.04,213.4 248.4,213.36 248.4,213.36 246.77,213.24 246.77,213.24 245.15,213.03 245.15,213.03 243.53,212.75 243.53,212.75 241.94,212.4 241.94,212.4 240.36,211.96 240.36,211.96 238.81,211.45 238.81,211.45 237.28,210.86 237.28,210.86 235.78,210.2 235.78,210.2 234.32,209.46 234.32,209.46 232.9,208.66 232.9,208.66 231.51,207.79 231.51,207.79 230.17,206.85 230.17,206.85 228.88,205.84 228.88,205.84 227.64,204.78 227.64,204.78 226.45,203.65 226.45,203.65 225.32,202.47 225.32,202.47 224.25,201.23 224.25,201.23 223.24,199.95 223.24,199.95 222.3,198.61 222.3,198.61 221.42,197.23 221.42,197.23 220.6,195.81 220.6,195.81 219.86,194.35 219.86,194.35 219.2,192.86 219.2,192.86 218.6,191.33 218.6,191.33 218.08,189.78 218.08,189.78 217.64,188.2 217.64,188.2 217.27,186.61 217.27,186.61 216.99,185 216.99,185 216.78,183.38 216.78,183.38 216.65,181.74 216.65,181.74 216.6,180.14 216.6,180.14 216.58,180.14 216.58,180.14 216.58,-213.56 216.58,-213.56 283.5,-213.56 283.5,-213.56 283.5,180.14 283.5,180.14 283.45,181.78 283.45,181.78 283.33,183.41 283.33,183.41 283.12,185.03 283.12,185.03 282.83,186.64 282.83,186.64 282.46,188.24 282.46,188.24 282.02,189.81 282.02,189.81 281.5,191.36 281.5,191.36 280.9,192.89 280.9,192.89 280.23,194.38 280.23,194.38 279.49,195.84 279.49,195.84 278.68,197.26 278.68,197.26 277.8,198.64 277.8,198.64 276.85,199.97 276.85,199.97 275.84,201.26 275.84,201.26 274.76,202.49 274.76,202.49 273.63,203.68 273.63,203.68 272.44,204.8 272.44,204.8 271.2,205.86 271.2,205.86 269.91,206.87 269.91,206.87 268.57,207.81 268.57,207.81 267.18,208.68 267.18,208.68 265.76,209.48 265.76,209.48 264.3,210.21 264.3,210.21 262.8,210.87 262.8,210.87 261.27,211.46 261.27,211.46 259.72,211.97 259.72,211.97 258.14,212.41 258.14,212.41 256.54,212.76 256.54,212.76 254.93,213.04 254.93,213.04 253.31,213.24 253.31,213.24
  Bottom Layer region: 151.67,213.36 150.04,213.4 150.04,213.4 148.4,213.36 148.4,213.36 146.77,213.24 146.77,213.24 145.15,213.03 145.15,213.03 143.53,212.75 143.53,212.75 141.94,212.4 141.94,212.4 140.36,211.96 140.36,211.96 138.81,211.45 138.81,211.45 137.28,210.86 137.28,210.86 135.78,210.2 135.78,210.2 134.32,209.46 134.32,209.46 132.9,208.66 132.9,208.66 131.51,207.79 131.51,207.79 130.17,206.85 130.17,206.85 128.88,205.84 128.88,205.84 127.64,204.78 127.64,204.78 126.45,203.65 126.45,203.65 125.32,202.47 125.32,202.47 124.25,201.23 124.25,201.23 123.24,199.95 123.24,199.95 122.3,198.61 122.3,198.61 121.42,197.23 121.42,197.23 120.6,195.81 120.6,195.81 119.86,194.35 119.86,194.35 119.19,192.86 119.19,192.86 118.6,191.33 118.6,191.33 118.08,189.78 118.08,189.78 117.64,188.2 117.64,188.2 117.27,186.61 117.27,186.61 116.99,185 116.99,185 116.78,183.38 116.78,183.38 116.65,181.74 116.65,181.74 116.6,180.14 116.6,180.14 116.58,180.14 116.58,180.14 116.58,-213.56 116.58,-213.56 183.5,-213.56 183.5,-213.56 183.5,180.14 183.5,180.14 183.45,181.78 183.45,181.78 183.32,183.41 183.32,183.41 183.11,185.03 183.11,185.03 182.83,186.64 182.83,186.64 182.46,188.24 182.46,188.24 182.02,189.81 182.02,189.81 181.49,191.36 181.49,191.36 180.9,192.89 180.9,192.89 180.23,194.38 180.23,194.38 179.49,195.84 179.49,195.84 178.67,197.26 178.67,197.26 177.8,198.64 177.8,198.64 176.85,199.97 176.85,199.97 175.84,201.26 175.84,201.26 174.76,202.49 174.76,202.49 173.63,203.68 173.63,203.68 172.44,204.8 172.44,204.8 171.2,205.86 171.2,205.86 169.91,206.87 169.91,206.87 168.57,207.81 168.57,207.81 167.18,208.68 167.18,208.68 165.76,209.48 165.76,209.48 164.3,210.21 164.3,210.21 162.8,210.87 162.8,210.87 161.27,211.46 161.27,211.46 159.72,211.97 159.72,211.97 158.14,212.41 158.14,212.41 156.54,212.76 156.54,212.76 154.93,213.04 154.93,213.04 153.31,213.24 153.31,213.24
  Bottom Layer region: 51.7,213.67 50.07,213.71 50.07,213.71 48.43,213.67 48.43,213.67 46.8,213.55 46.8,213.55 45.18,213.35 45.18,213.35 43.56,213.07 43.56,213.07 41.97,212.71 41.97,212.71 40.39,212.28 40.39,212.28 38.84,211.76 38.84,211.76 37.31,211.18 37.31,211.18 35.81,210.51 35.81,210.51 34.35,209.78 34.35,209.78 32.93,208.97 32.93,208.97 31.54,208.1 31.54,208.1 30.2,207.16 30.2,207.16 28.91,206.16 28.91,206.16 27.67,205.09 27.67,205.09 26.48,203.97 26.48,203.97 25.35,202.78 25.35,202.78 24.28,201.55 24.28,201.55 23.27,200.26 23.27,200.26 22.33,198.92 22.33,198.92 21.44,197.54 21.44,197.54 20.63,196.12 20.63,196.12 19.89,194.66 19.89,194.66 19.23,193.17 19.23,193.17 18.63,191.65 18.63,191.65 18.11,190.09 18.11,190.09 17.67,188.52 17.67,188.52 17.3,186.92 17.3,186.92 17.02,185.31 17.02,185.31 16.81,183.69 16.81,183.69 16.68,182.06 16.68,182.06 16.63,180.46 16.63,180.46 16.6,180.46 16.6,180.46 16.6,-213.24 16.6,-213.24 83.53,-213.24 83.53,-213.24 83.53,180.46 83.53,180.46 83.48,182.09 83.48,182.09 83.35,183.72 83.35,183.72 83.15,185.35 83.15,185.35 82.86,186.95 82.86,186.95 82.49,188.55 82.49,188.55 82.05,190.12 82.05,190.12 81.52,191.68 81.52,191.68 80.93,193.2 80.93,193.2 80.26,194.69 80.26,194.69 79.52,196.15 79.52,196.15 78.7,197.57 78.7,197.57 77.83,198.95 77.83,198.95 76.88,200.28 76.88,200.28 75.87,201.57 75.87,201.57 74.79,202.81 74.79,202.81 73.66,203.99 73.66,203.99 72.47,205.11 72.47,205.11 71.23,206.18 71.23,206.18 69.94,207.18 69.94,207.18 68.6,208.12 68.6,208.12 67.21,208.99 67.21,208.99 65.79,209.79 65.79,209.79 64.33,210.53 64.33,210.53 62.83,211.19 62.83,211.19 61.3,211.77 61.3,211.77 59.75,212.28 59.75,212.28 58.17,212.72 58.17,212.72 56.57,213.07 56.57,213.07 54.96,213.35 54.96,213.35 53.34,213.55 53.34,213.55
  Bottom Layer region: -48.3,213.67 -49.93,213.71 -49.93,213.71 -51.57,213.67 -51.57,213.67 -53.2,213.55 -53.2,213.55 -54.82,213.35 -54.82,213.35 -56.43,213.07 -56.43,213.07 -58.03,212.71 -58.03,212.71 -59.61,212.28 -59.61,212.28 -61.16,211.76 -61.16,211.76 -62.69,211.18 -62.69,211.18 -64.18,210.51 -64.18,210.51 -65.65,209.78 -65.65,209.78 -67.07,208.97 -67.07,208.97 -68.45,208.1 -68.45,208.1 -69.8,207.16 -69.8,207.16 -71.09,206.16 -71.09,206.16 -72.33,205.09 -72.33,205.09 -73.51,203.97 -73.51,203.97 -74.65,202.78 -74.65,202.78 -75.72,201.55 -75.72,201.55 -76.73,200.26 -76.73,200.26 -77.67,198.92 -77.67,198.92 -78.55,197.54 -78.55,197.54 -79.36,196.12 -79.36,196.12 -80.1,194.66 -80.1,194.66 -80.77,193.17 -80.77,193.17 -81.37,191.65 -81.37,191.65 -81.89,190.09 -81.89,190.09 -82.33,188.52 -82.33,188.52 -82.69,186.92 -82.69,186.92 -82.98,185.31 -82.98,185.31 -83.19,183.69 -83.19,183.69 -83.32,182.06 -83.32,182.06 -83.36,180.46 -83.36,180.46 -83.39,180.46 -83.39,180.46 -83.39,-213.24 -83.39,-213.24 -16.46,-213.24 -16.46,-213.24 -16.46,180.46 -16.46,180.46 -16.51,182.09 -16.51,182.09 -16.64,183.72 -16.64,183.72 -16.85,185.35 -16.85,185.35 -17.14,186.95 -17.14,186.95 -17.51,188.55 -17.51,188.55 -17.95,190.12 -17.95,190.12 -18.47,191.68 -18.47,191.68 -19.07,193.2 -19.07,193.2 -19.74,194.69 -19.74,194.69 -20.48,196.15 -20.48,196.15 -21.29,197.57 -21.29,197.57 -22.17,198.95 -22.17,198.95 -23.12,200.28 -23.12,200.28 -24.13,201.57 -24.13,201.57 -25.2,202.81 -25.2,202.81 -26.34,203.99 -26.34,203.99 -27.52,205.11 -27.52,205.11 -28.77,206.18 -28.77,206.18 -30.06,207.18 -30.06,207.18 -31.4,208.12 -31.4,208.12 -32.78,208.99 -32.78,208.99 -34.21,209.79 -34.21,209.79 -35.67,210.53 -35.67,210.53 -37.17,211.19 -37.17,211.19 -38.7,211.77 -38.7,211.77 -40.25,212.28 -40.25,212.28 -41.83,212.72 -41.83,212.72 -43.43,213.07 -43.43,213.07 -45.04,213.35 -45.04,213.35 -46.66,213.55 -46.66,213.55
  Bottom Layer region: -148.29,213.67 -149.93,213.71 -149.93,213.71 -151.56,213.67 -151.56,213.67 -153.2,213.55 -153.2,213.55 -154.82,213.35 -154.82,213.35 -156.43,213.07 -156.43,213.07 -158.03,212.71 -158.03,212.71 -159.6,212.28 -159.6,212.28 -161.16,211.76 -161.16,211.76 -162.69,211.18 -162.69,211.18 -164.18,210.51 -164.18,210.51 -165.65,209.78 -165.65,209.78 -167.07,208.97 -167.07,208.97 -168.45,208.1 -168.45,208.1 -169.79,207.16 -169.79,207.16 -171.08,206.16 -171.08,206.16 -172.33,205.09 -172.33,205.09 -173.51,203.97 -173.51,203.97 -174.64,202.78 -174.64,202.78 -175.72,201.55 -175.72,201.55 -176.73,200.26 -176.73,200.26 -177.67,198.92 -177.67,198.92 -178.55,197.54 -178.55,197.54 -179.36,196.12 -179.36,196.12 -180.1,194.66 -180.1,194.66 -180.77,193.17 -180.77,193.17 -181.36,191.65 -181.36,191.65 -181.88,190.09 -181.88,190.09 -182.33,188.52 -182.33,188.52 -182.69,186.92 -182.69,186.92 -182.98,185.31 -182.98,185.31 -183.19,183.69 -183.19,183.69 -183.32,182.06 -183.32,182.06 -183.36,180.46 -183.36,180.46 -183.39,180.46 -183.39,180.46 -183.39,-213.24 -183.39,-213.24 -116.46,-213.24 -116.46,-213.24 -116.46,180.46 -116.46,180.46 -116.51,182.09 -116.51,182.09 -116.64,183.72 -116.64,183.72 -116.85,185.35 -116.85,185.35 -117.14,186.95 -117.14,186.95 -117.51,188.55 -117.51,188.55 -117.95,190.12 -117.95,190.12 -118.47,191.68 -118.47,191.68 -119.07,193.2 -119.07,193.2 -119.74,194.69 -119.74,194.69 -120.48,196.15 -120.48,196.15 -121.29,197.57 -121.29,197.57 -122.17,198.95 -122.17,198.95 -123.12,200.28 -123.12,200.28 -124.13,201.57 -124.13,201.57 -125.2,202.81 -125.2,202.81 -126.33,203.99 -126.33,203.99 -127.52,205.11 -127.52,205.11 -128.76,206.18 -128.76,206.18 -130.06,207.18 -130.06,207.18 -131.4,208.12 -131.4,208.12 -132.78,208.99 -132.78,208.99 -134.21,209.79 -134.21,209.79 -135.67,210.53 -135.67,210.53 -137.17,211.19 -137.17,211.19 -138.7,211.77 -138.7,211.77 -140.25,212.28 -140.25,212.28 -141.83,212.72 -141.83,212.72 -143.42,213.07 -143.42,213.07 -145.04,213.35 -145.04,213.35 -146.66,213.55 -146.66,213.55